# Altium PCB UltraZohm_Digital_Sensor_Board_v1.01.PcbDoc (part 1 of 4)
Units mm, origin at the board's own origin, x right, y up, seen from the top; angles counter-clockwise.
Board outline 156 x 100 mm, 4 copper layers (Top Layer, GND, VCC, Bottom Layer), stack 0.778 mm thick; 386 components, 224 nets, 1254 pads, 301 vias.
Unrouted connection lines stored in the file: 1.
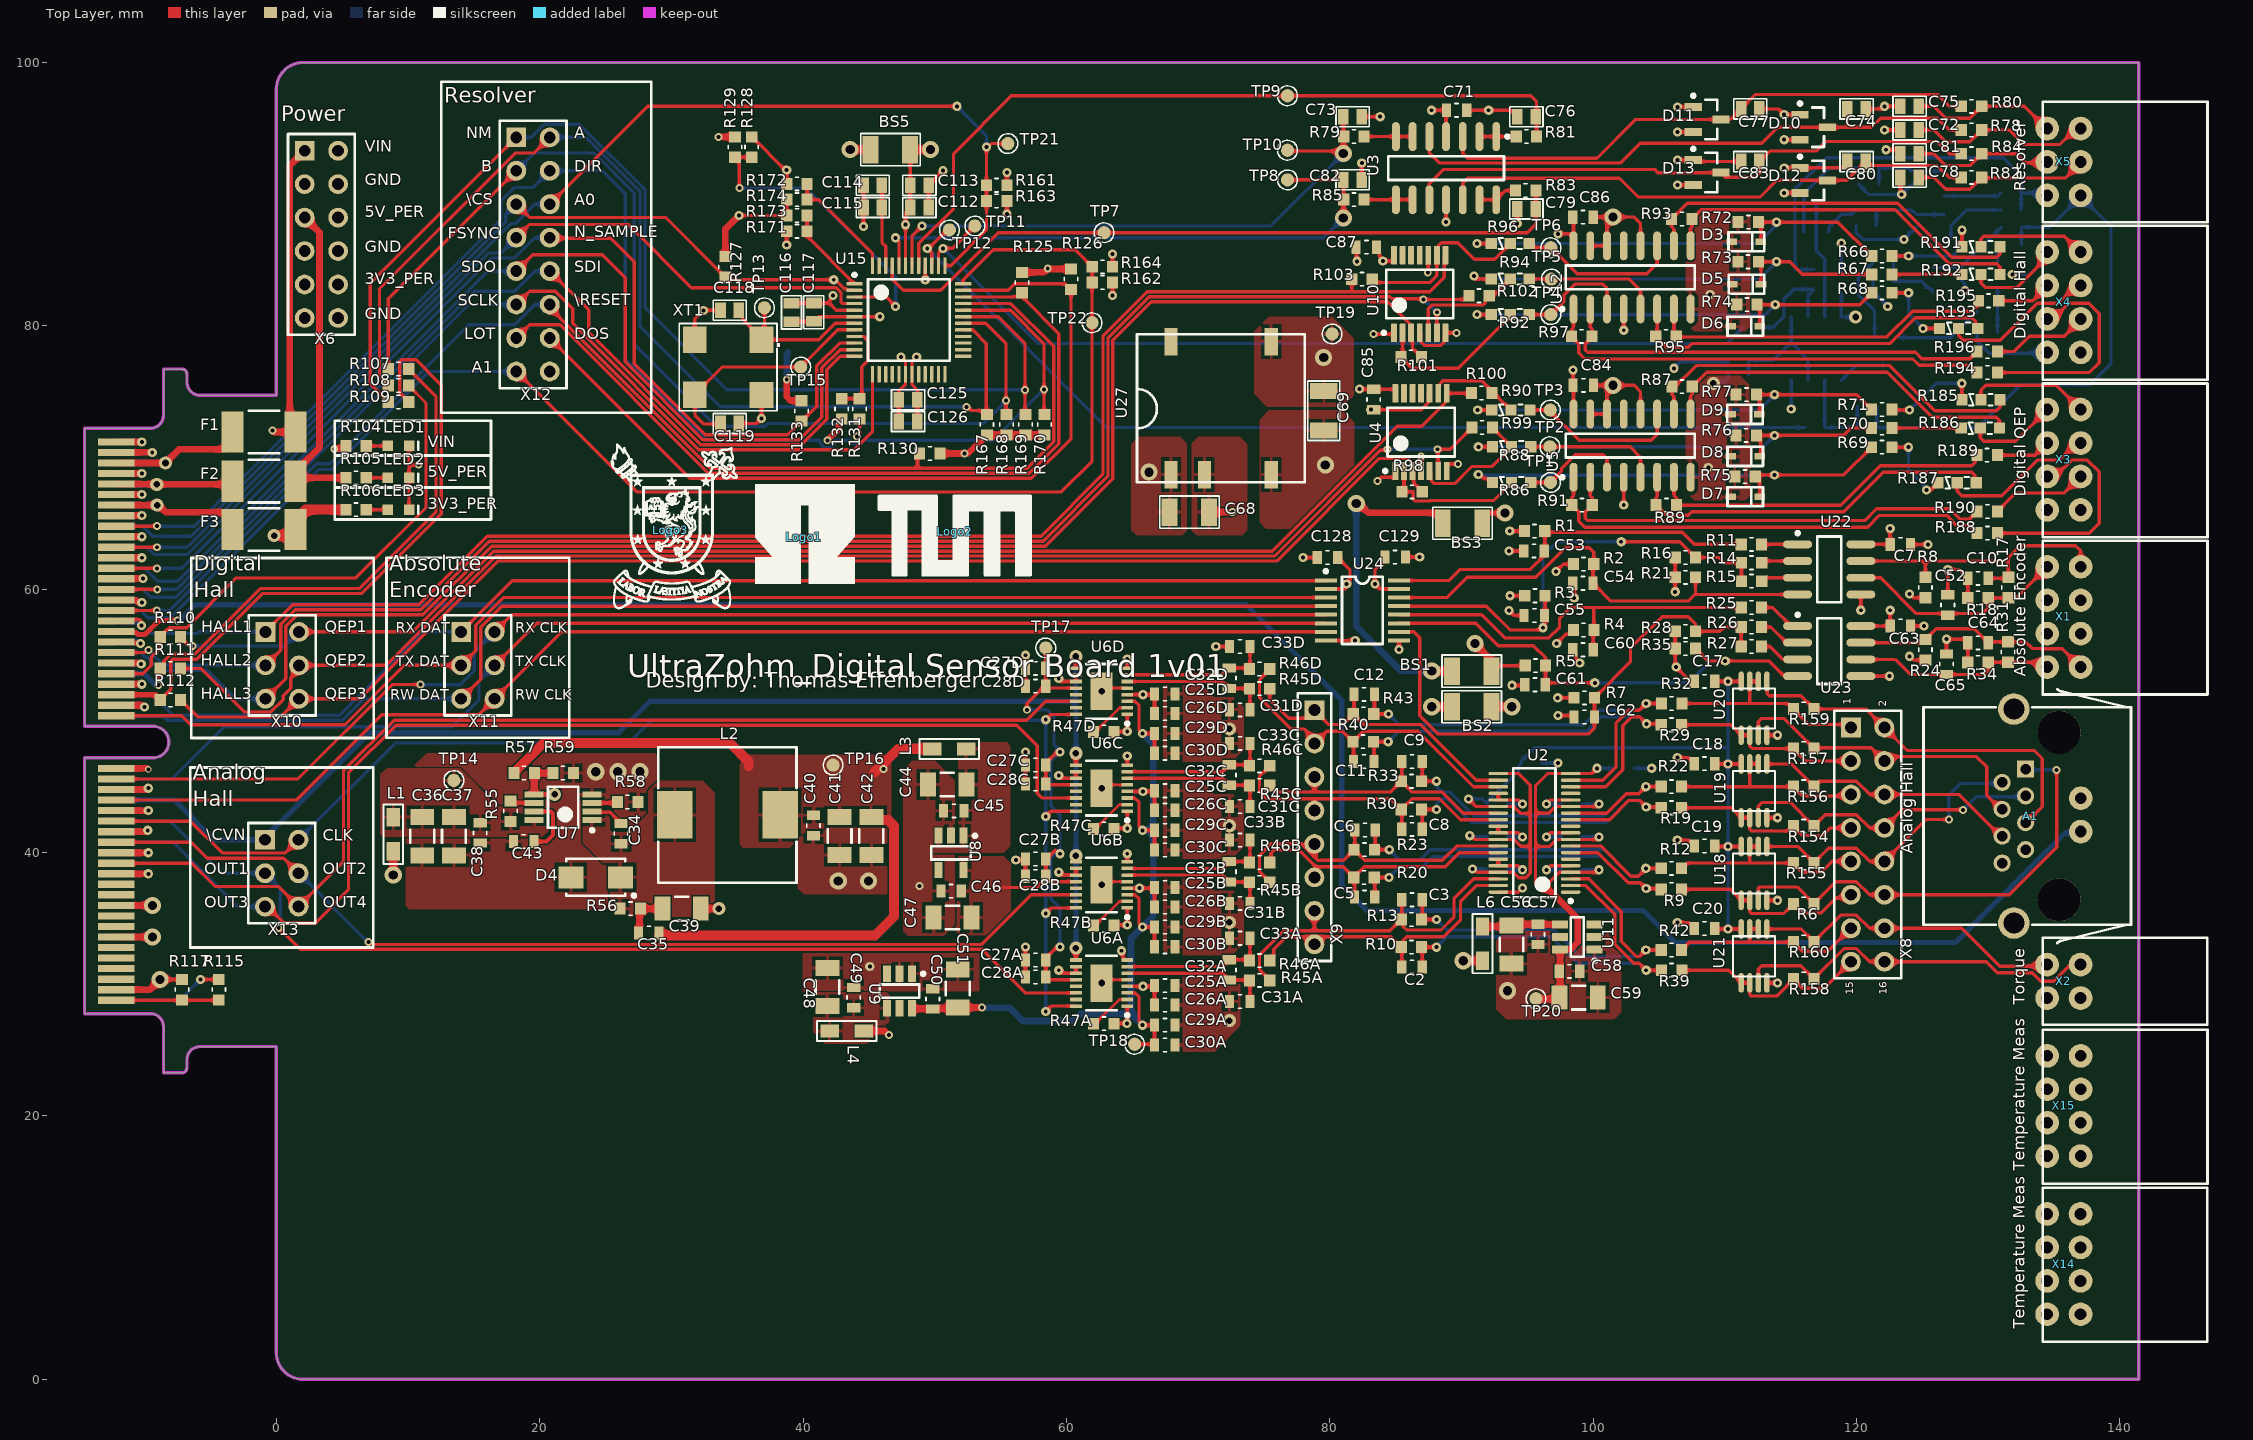
[diagram p0: Top Layer view]
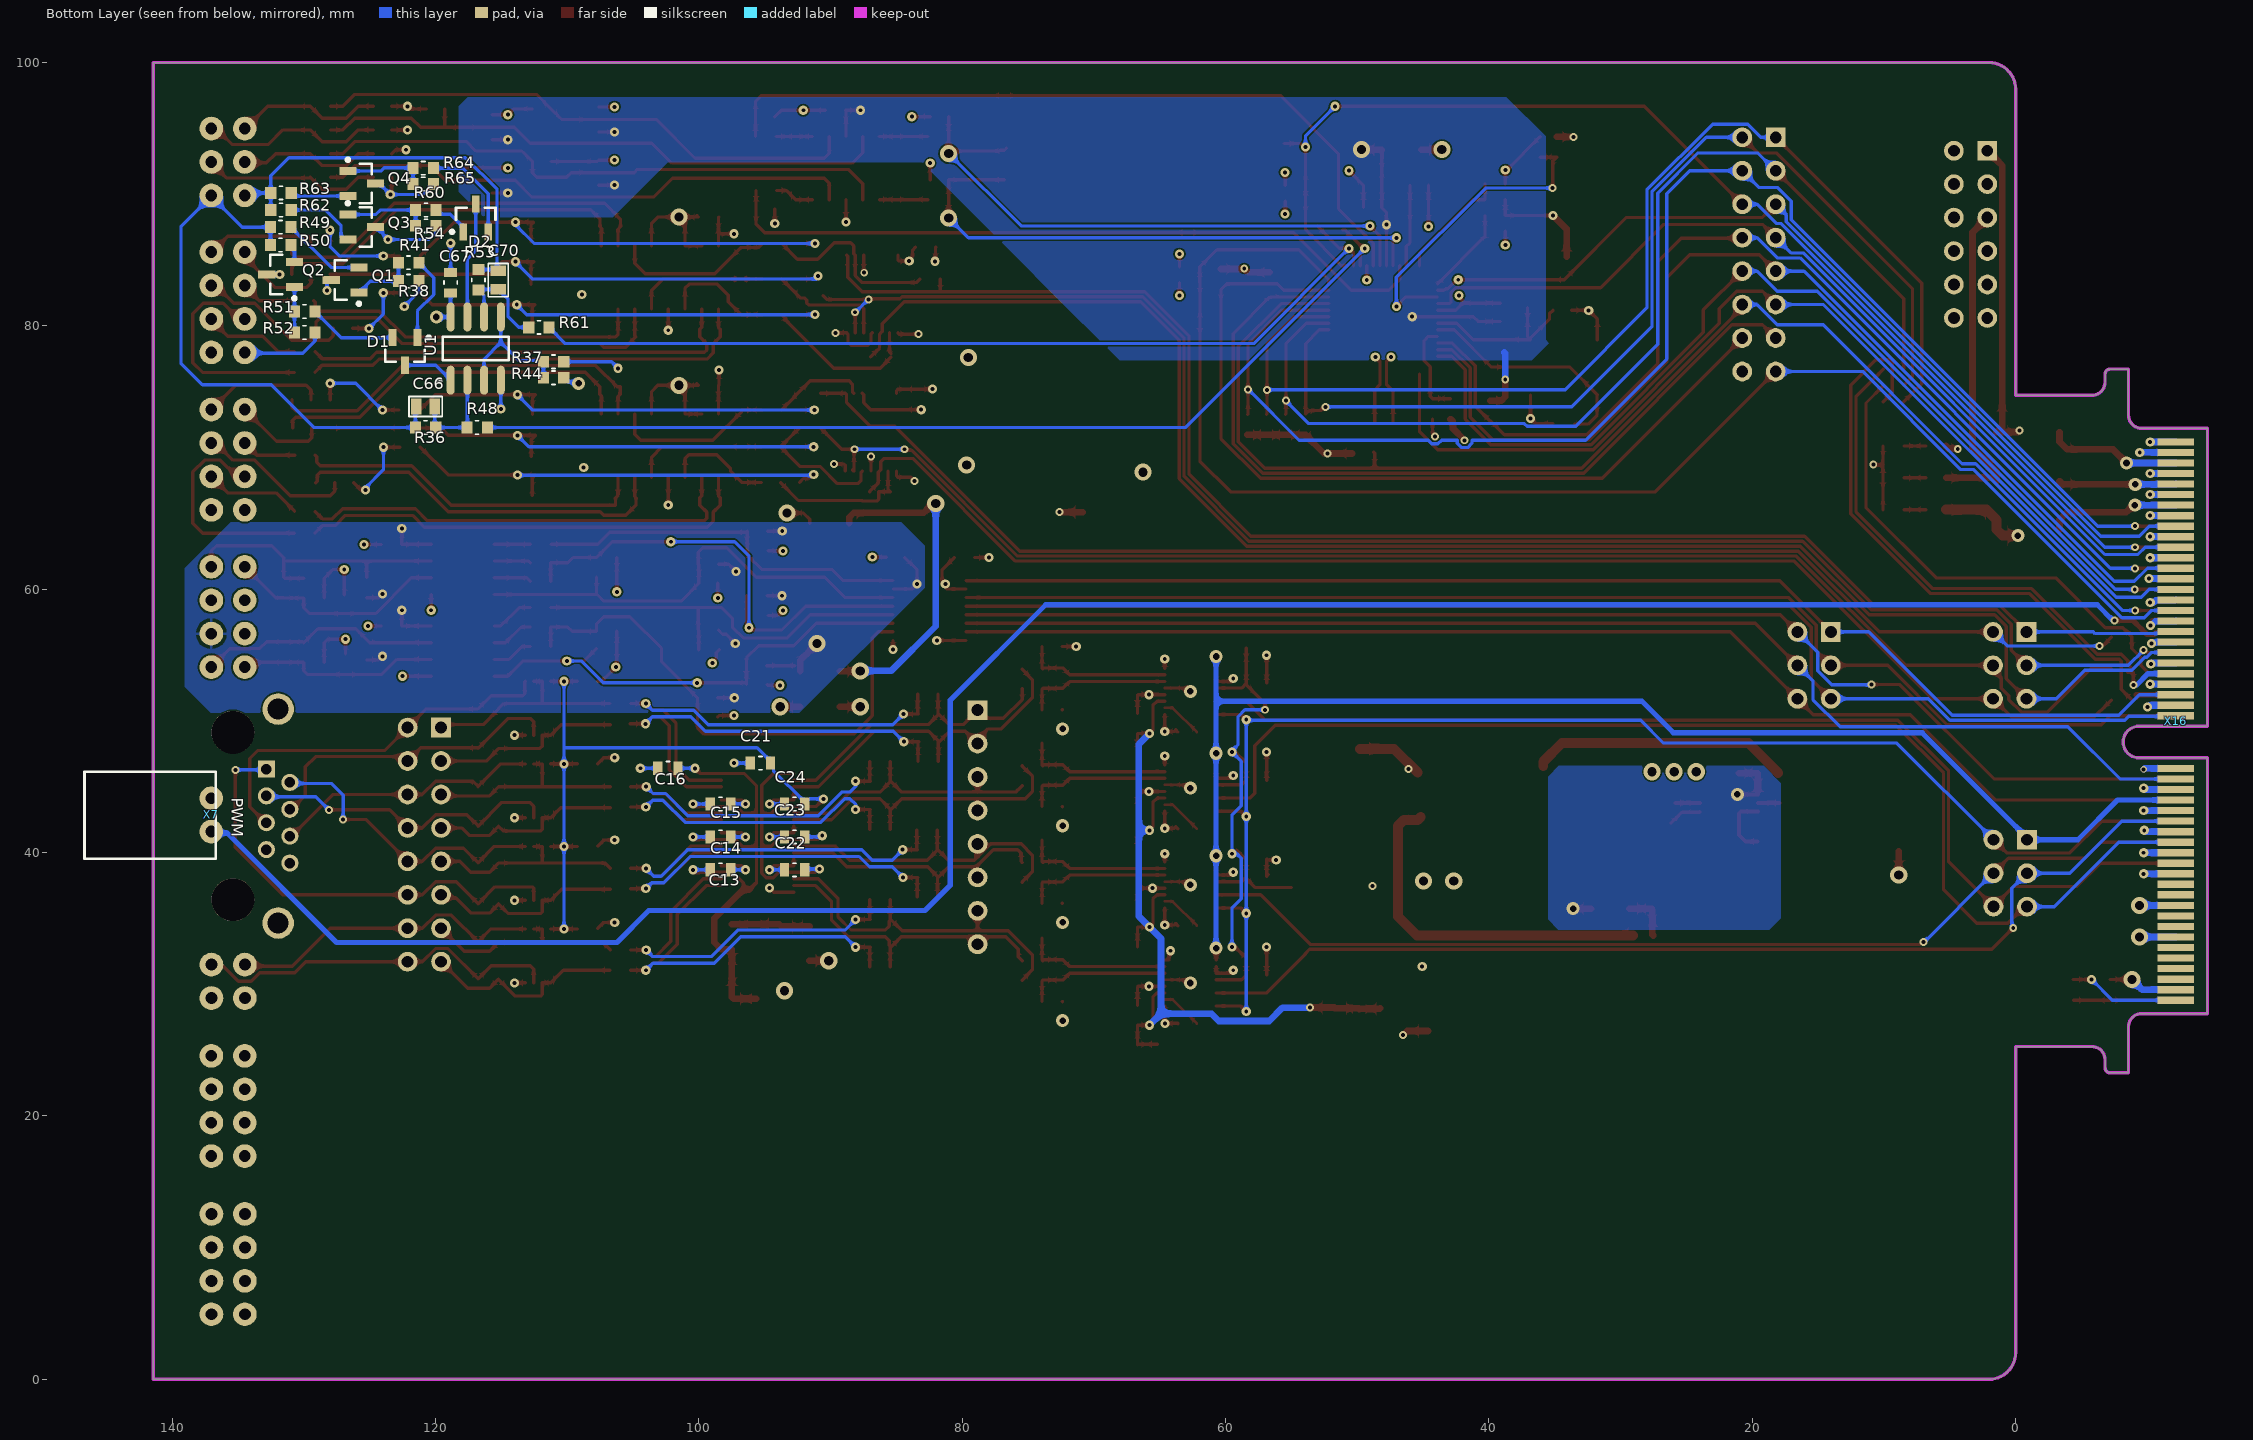
[diagram p1: Bottom Layer view, seen from below]
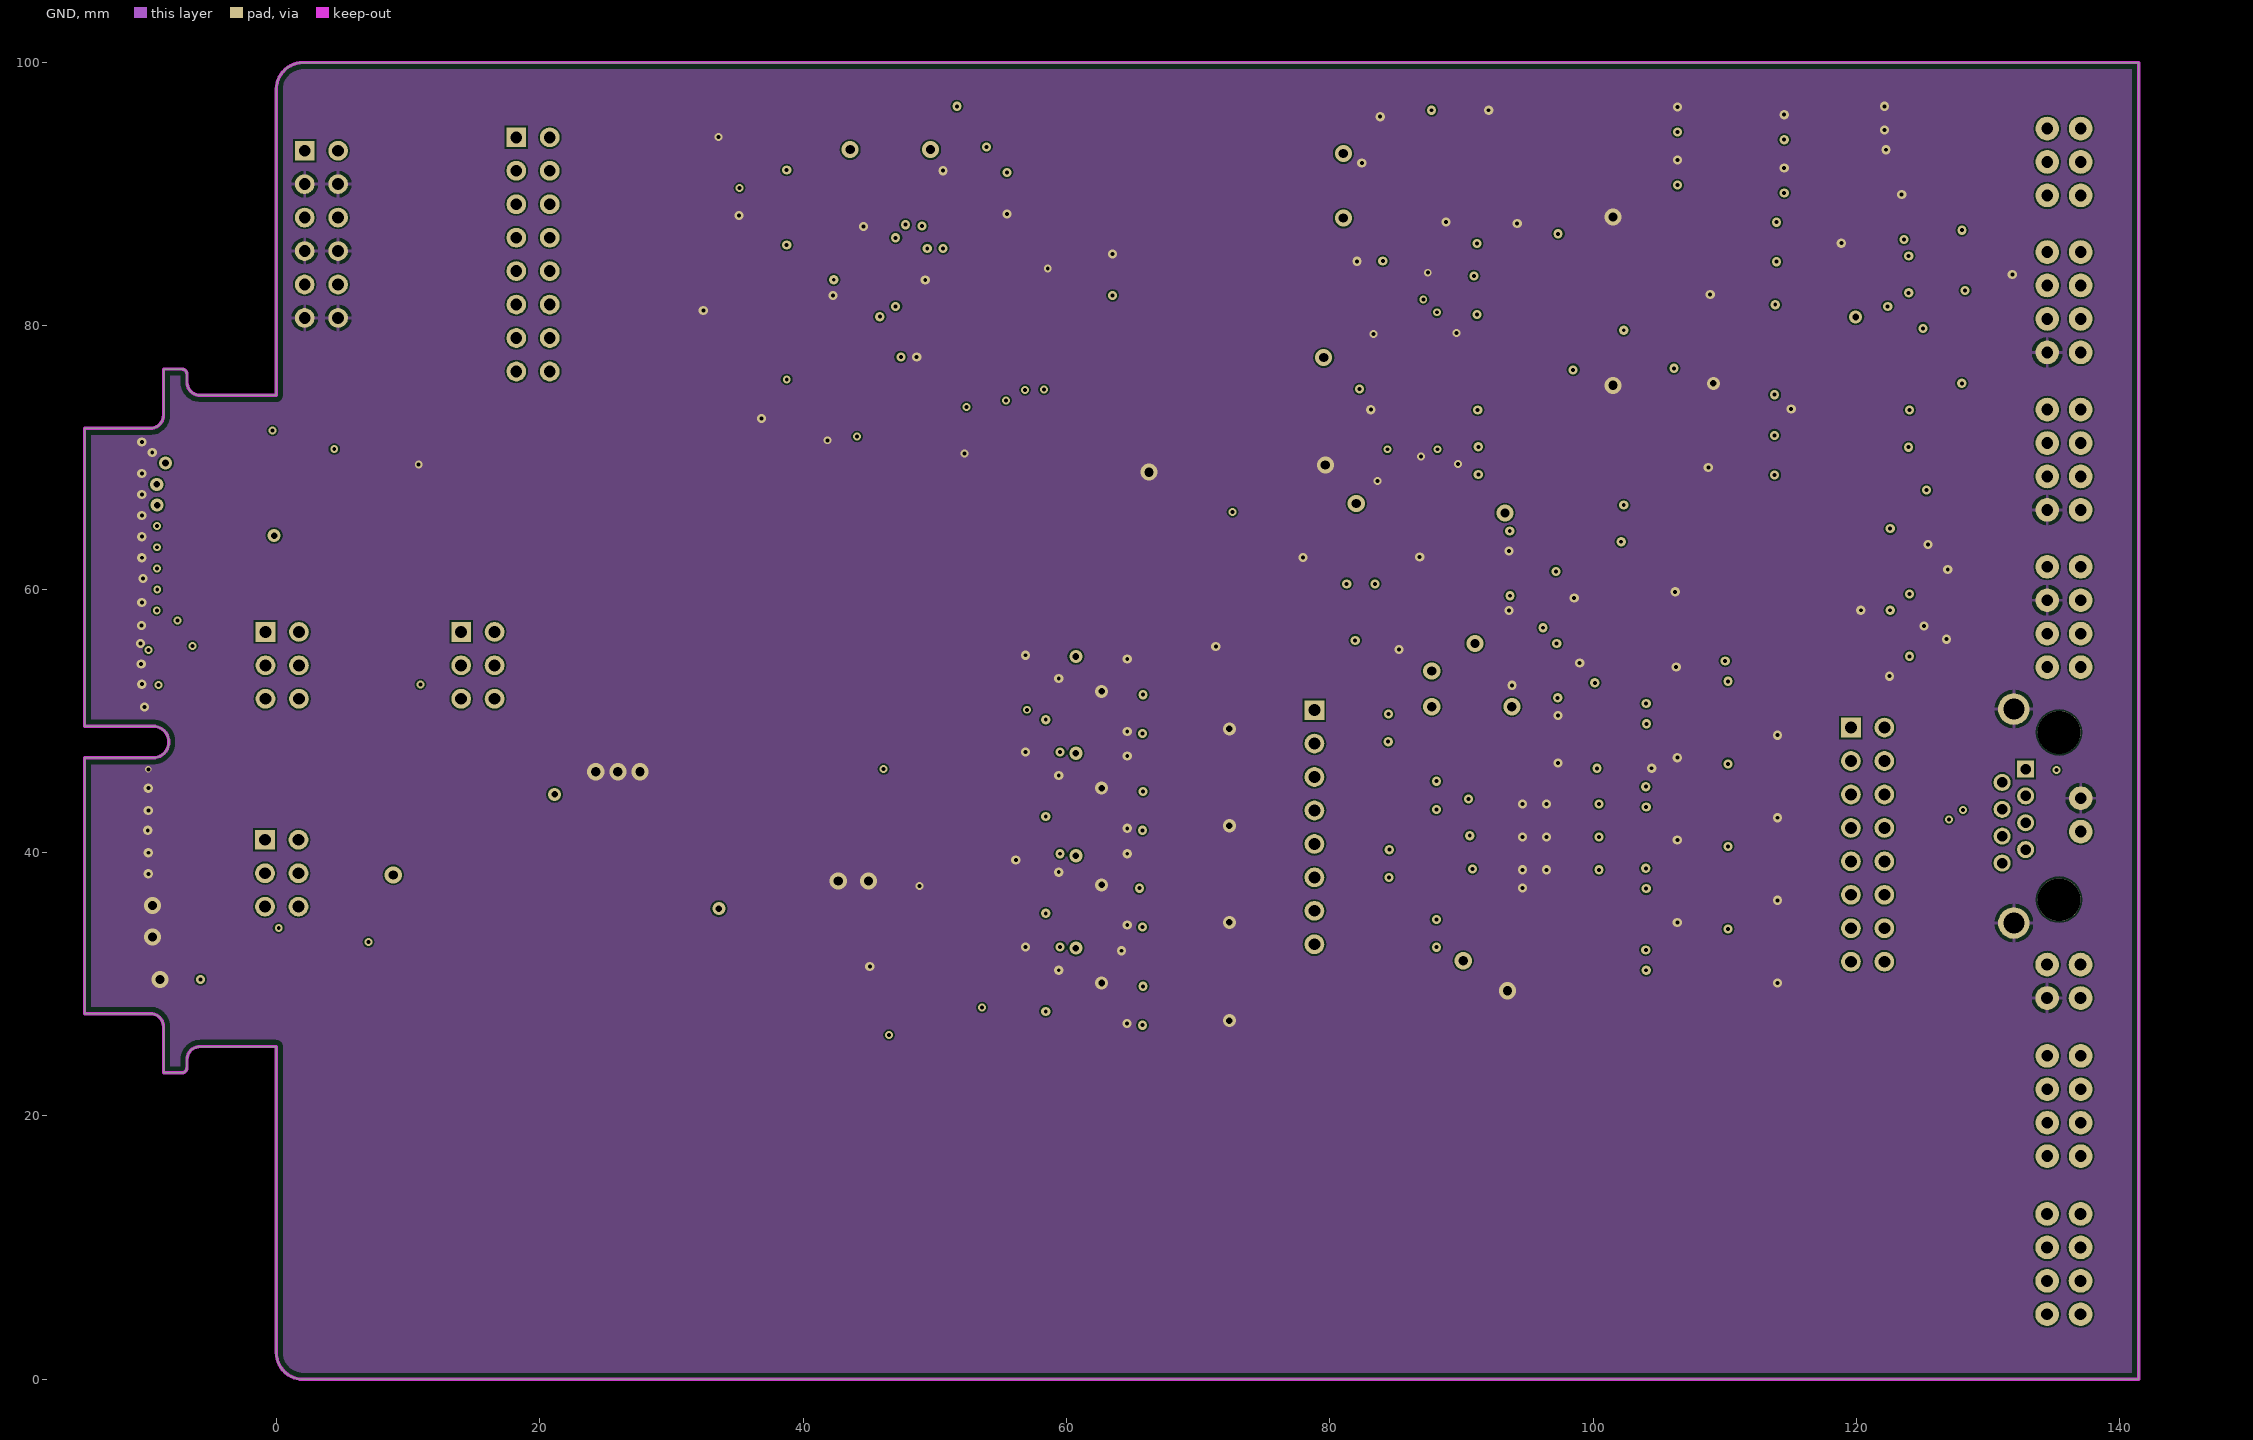
[diagram p2: GND]
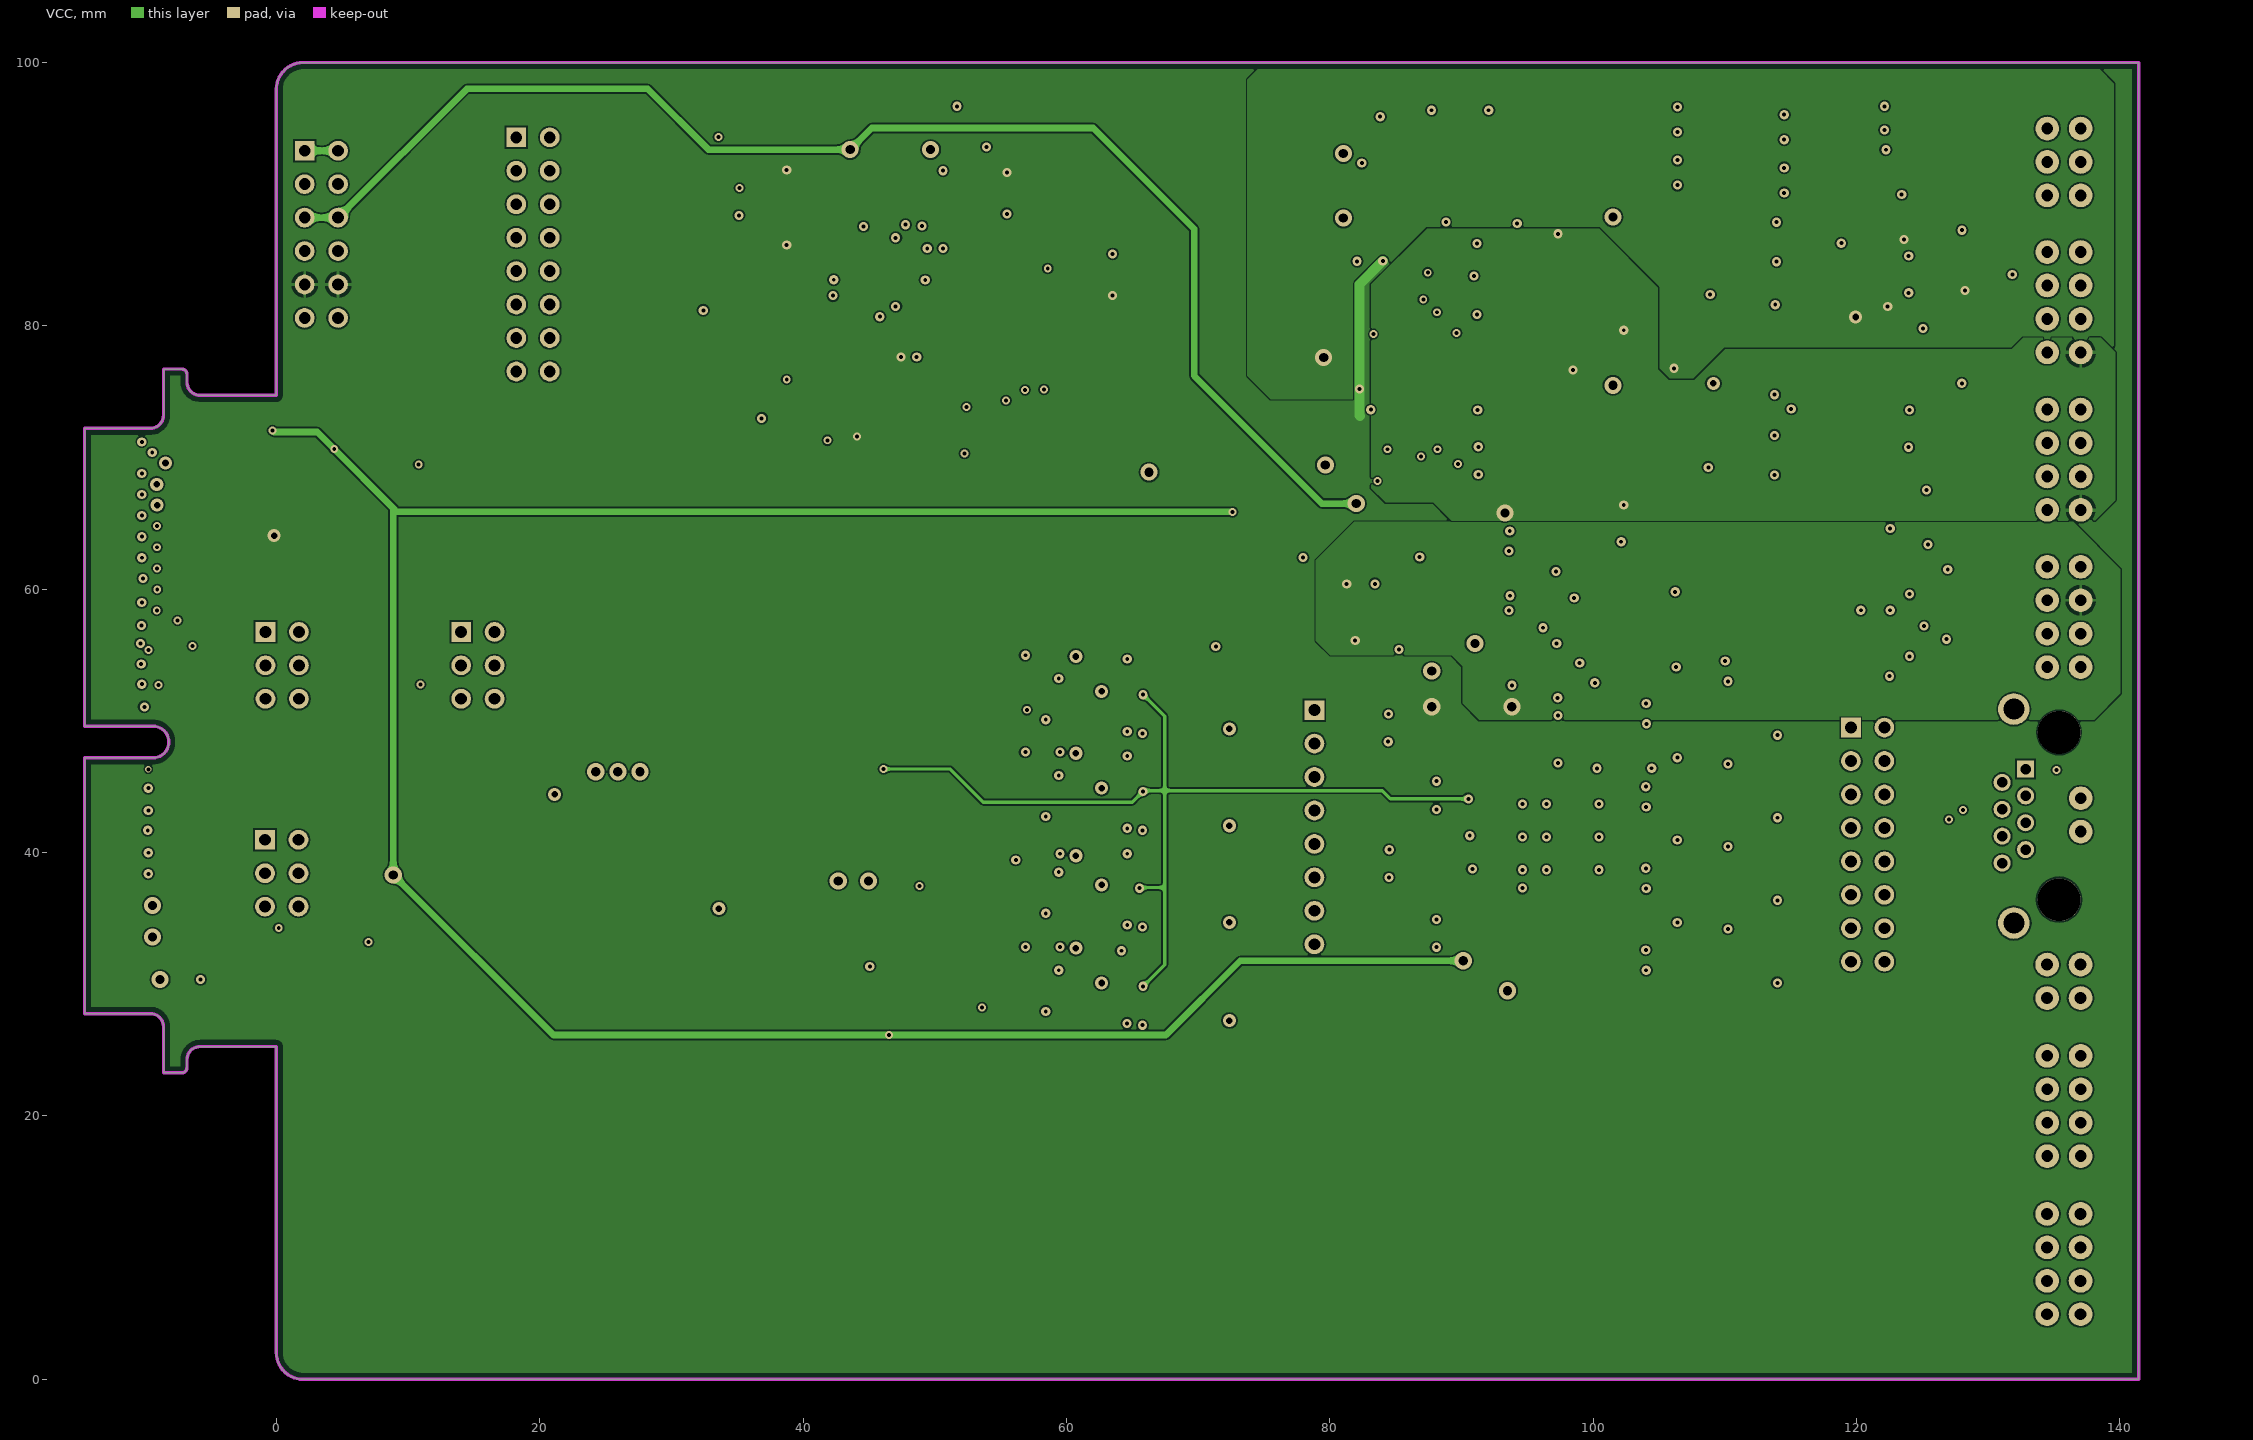
[diagram p3: VCC]

## Layer stack, top to bottom
Top Solder: solder mask 0.0102, Solder Resist, Dk 3.5
Top Layer: signal copper 0.0356
Dielectric 1: core 0.254, FR-4, Dk 4.2
GND: signal copper 0.036
Dielectric 3: prepreg 0.127, Dk 4.2
VCC: signal copper 0.036
Dielectric 2: core 0.254, Dk 4.2
Bottom Layer: signal copper 0.0356
Bottom Solder: solder mask 0.0102, Solder Resist, Dk 3.5

## Board outline
-14.566,27.775 -9.566,27.775 cw(c-9.566,26.775) -8.566,26.775 -8.566,23.275 -7.186,23.275 ccw(c-7.186,23.675) -6.786,23.675 -6.786,24.275 cw(c-5.786,24.275) -5.786,25.275 0,25.275 0,2.032 ccw(c2.032,2.032) 2.032,0 141.434,0 141.434,100 2.032,100 ccw(c2.032,97.968) 0,97.968 0,74.725 -5.786,74.725 cw(c-5.786,75.725) -6.786,75.725 -6.786,76.325 ccw(c-7.186,76.325) -7.186,76.725 -8.566,76.725 -8.566,73.225 cw(c-9.566,73.225) -9.566,72.225 -14.566,72.225 -14.566,49.6 -9.366,49.6 cw(c-9.366,48.4) -9.366,47.2 -14.566,47.2

## Design rules (kind name [scope] priority, off if disabled: settings)
BoardOutlineClearance [All] p1: gap=0.508 ignorepadtopadclearanceinfootprint=FALSE except(0: Arc-OutlineEdge Arc-CavityEdge Arc-CutoutEdge Arc-SplitBarrior Arc-SplitContinuation Track-OutlineEdge Track-CavityEdge Track-CutoutEdge Track-SplitBarrior Track-SplitContinuation Region-OutlineEdge Region-CavityEdge Region-CutoutEdge Region-SplitBarrior Region-SplitContinuation Text-OutlineEdge Text-CavityEdge Text-CutoutEdge Text-SplitBarrior Text-SplitContinuation)
Clearance [All] p1: gap=0.127 ignorepadtopadclearanceinfootprint=FALSE except(0: Arc-Hole Track-Hole SMDPad-Hole THPad-Hole Via-Hole Fill-Hole Poly-Hole Region-Hole Text-Hole)
ComponentClearance [All] p1 off: gap=0.254 collisioncheckmode=3 verticalgap=0.254 showdistances=FALSE
DiffPairsRouting [All] p1: maxlimit=0.254 minlimit=0.2 mostfreqgap=0.254 toplayer_minwidth=0.25 toplayer_maxwidth=0.381 toplayer_prefwidth=0.381 midlayer1_minwidth=0.25 midlayer1_maxwidth=0.381 midlayer1_prefwidth=0.381 midlayer2_minwidth=0.25 midlayer2_maxwidth=0.381 midlayer2_prefwidth=0.381 bottomlayer_minwidth=0.25 bottomlayer_maxwidth=0.381 bottomlayer_prefwidth=0.381 maxuncoupledlength=12.7
HoleSize [All] p1: absolutevalues=TRUE maxlimit=6.3 minlimit=0.2 maxpercent=80.000 minpercent=20.000
MinimumSolderMaskSliver [All] p1: minsoldermaskwidth=0
PolygonConnect VIA [All vs IsVia] p1: connectstyle=Direct reliefconductorwidth=0.254 reliefentries=4 polygonreliefangle="90 Angle" airgapwidth=0.254
PolygonConnect [All] p2: connectstyle=Relief reliefconductorwidth=0.254 reliefentries=4 polygonreliefangle="90 Angle" airgapwidth=0.254
RoutingVias [All] p1: holewidth=0.3 width=0.6 viastyle="Through Hole" minholewidth=0.3 minwidth=0.6 maxholewidth=0.4 maxwidth=0.8
SilkToSilkClearance [All] p1: silktosilkclearance=0
SilkToSolderMaskClearance [IsPad] p1: minsilkscreentomaskgap=0 clearancetoexposedcopper=TRUE
SolderMaskExpansion [All] p1: expansion=0.102 istentingtop=FALSE
Width Width_PWR [InNet('VCC') or InNet('GND') or InNet('VIN')] p1: maxlimit=0.762 minlimit=0.127 preferedwidth=0.508
Width [All] p2: maxlimit=0.762 minlimit=0.127 preferedwidth=0.127
24 further rules are at their usual default settings.

## Classes and differential pairs
channel class ADC_AH: ADC1 ADC2 ADC3 ADC4
net class QEP[1..3]: QEP1 QEP2 QEP3
net class HALL[1..3]: HALL1 HALL2 HALL3
net class ADC1_OUT_P[1..4]: ADC1_OUT_P1 ADC1_OUT_P2 ADC1_OUT_P3 ADC1_OUT_P4
net class ADC1_IN_P[1..4]: ADC1_IN_P1 ADC1_IN_P2 ADC1_IN_P3 ADC1_IN_P4
net class ADC1_IN_N[1..4]: ADC1_IN_N1 ADC1_IN_N2 ADC1_IN_N3 ADC1_IN_N4
component class Resolver: BS5 C112 C113 C114 C115 C116 C117 C118 C119 C125 C126 R125 R126 R127 R128 R129 R130 R131 R132 R133 R161 R162 R163 R164 R167 R168 R169 R170 R171 R172 R173 R174 TP7 TP8 TP9 TP10 TP11 TP12 TP13 TP15 TP21 TP22 U15 X5 XT1
component class "Power_Analog Hall": C34 C35 C36 C37 C38 C39 C40 C41 C42 C43 C44 C45 C46 C47 C48 C49 C50 C51 C56 C57 C58 C59 D4 L1 L2 L3 L4 L6 R55 R56 R57 R58 R59 TP14 TP16 TP17 TP18 TP20 U7 U8 U9 U11
component class Opamp: C2 C3 C5 C6 C8 C9 C11 C12 C13 C14 C15 C16 C17 C18 C19 C20 C21 C22 C23 C24 R6 R9 R10 R12 R13 R19 R20 R22 R23 R29 R30 R32 R33 R39 R40 R42 R43 R154 R155 R156 R157 R158 R159 R160 U2 U18 U19 U20 U21 X8 X9
component class "Interface Connector": F1 F2 F3 LED1 LED2 LED3 R104 R105 R106 R107 R108 R109 R110 R111 R112 R115 R117 X6 X10 X11 X12 X13 X16
component class "Impedance Converter": C71 C72 C73 C74 C75 C76 C77 C78 C79 C80 C81 C82 C83 D10 D11 D12 D13 R78 R79 R80 R81 R82 R83 R84 R85 U3
component class "Digital Interfaces": BS3 D3 D5 D6 D7 D8 D9 R66 R67 R68 R69 R70 R71 R72 R73 R74 R75 R76 R77 R185 R186 R187 R188 R189 R190 R191 R192 R193 R194 R195 R196 X3 X4
component class Diff_Single_Selector: C84 C85 C86 C87 R86 R87 R88 R89 R90 R91 R92 R93 R94 R95 R96 R97 R98 R99 R100 R101 R102 R103 TP1 TP2 TP3 TP4 TP5 TP6 U4 U5 U10 U12
component class Buffer_EXC: C66 C67 C68 C69 C70 D1 D2 Q1 Q2 Q3 Q4 R36 R37 R38 R41 R44 R48 R49 R50 R51 R52 R53 R54 R60 R61 R62 R63 R64 R65 TP19 U1 U27
component class "Analog Hall": A1 Ax X2
component class ADC4: C25D C26D C27D C28D C29D C30D C31D C32D C33D R45D R46D R47D U6D
component class ADC3: C25C C26C C27C C28C C29C C30C C31C C32C C33C R45C R46C R47C U6C
component class ADC2: C25B C26B C27B C28B C29B C30B C31B C32B C33B R45B R46B R47B U6B
component class ADC1: C25A C26A C27A C28A C29A C30A C31A C32A C33A R45A R46A R47A U6A
component class "Absolute encoder": BS1 BS2 C7 C10 C52 C53 C54 C55 C60 C61 C62 C63 C64 C65 C128 C129 R1 R2 R3 R4 R5 R7 R8 R11 R14 R15 R16 R17 R18 R21 R24 R25 R26 R27 R28 R31 R34 R35 U22 U23 U24 X1
component class TopSheet: Logo1 Logo2 Logo3 X7 X14 X15
differential pair QEP3: +QEP3_P -QEP3_N
differential pair QEP2: +QEP2_P -QEP2_N
differential pair QEP1: +QEP1_P -QEP1_N
differential pair HALL3: +HALL3_P -HALL3_N
differential pair HALL2: +HALL2_P -HALL2_N
differential pair HALL1: +HALL1_P -HALL1_N
differential pair ADC1_IN4: +ADC1_IN_P4 -ADC1_IN_N4
differential pair ADC1_IN3: +ADC1_IN_P3 -ADC1_IN_N3
differential pair ADC1_IN2: +ADC1_IN_P2 -ADC1_IN_N2
differential pair ADC1_IN1: +ADC1_IN_P1 -ADC1_IN_N1
differential pair ADC_INA: +ADC_INA_P -ADC_INA_N
differential pair ADC_INB: +ADC_INB_P -ADC_INB_N
differential pair ADC_INC: +ADC_INC_P -ADC_INC_N
differential pair ADC_IND: +ADC_IND_P -ADC_IND_N
differential pair AH1: +AH1_P -AH1_N
differential pair AH2: +AH2_P -AH2_N
differential pair AH3: +AH3_P -AH3_N
differential pair AH4: +AH4_P -AH4_N
differential pair IN4: +IN4_P -IN4_N
differential pair IN2: +IN2_P -IN2_N
differential pair IN1: +IN1_P -IN1_N
differential pair IN3: +IN3_P -IN3_N
